# Altium PCB FINAL_PCB_VER0.PcbDoc (part 2 of 4) (continued)
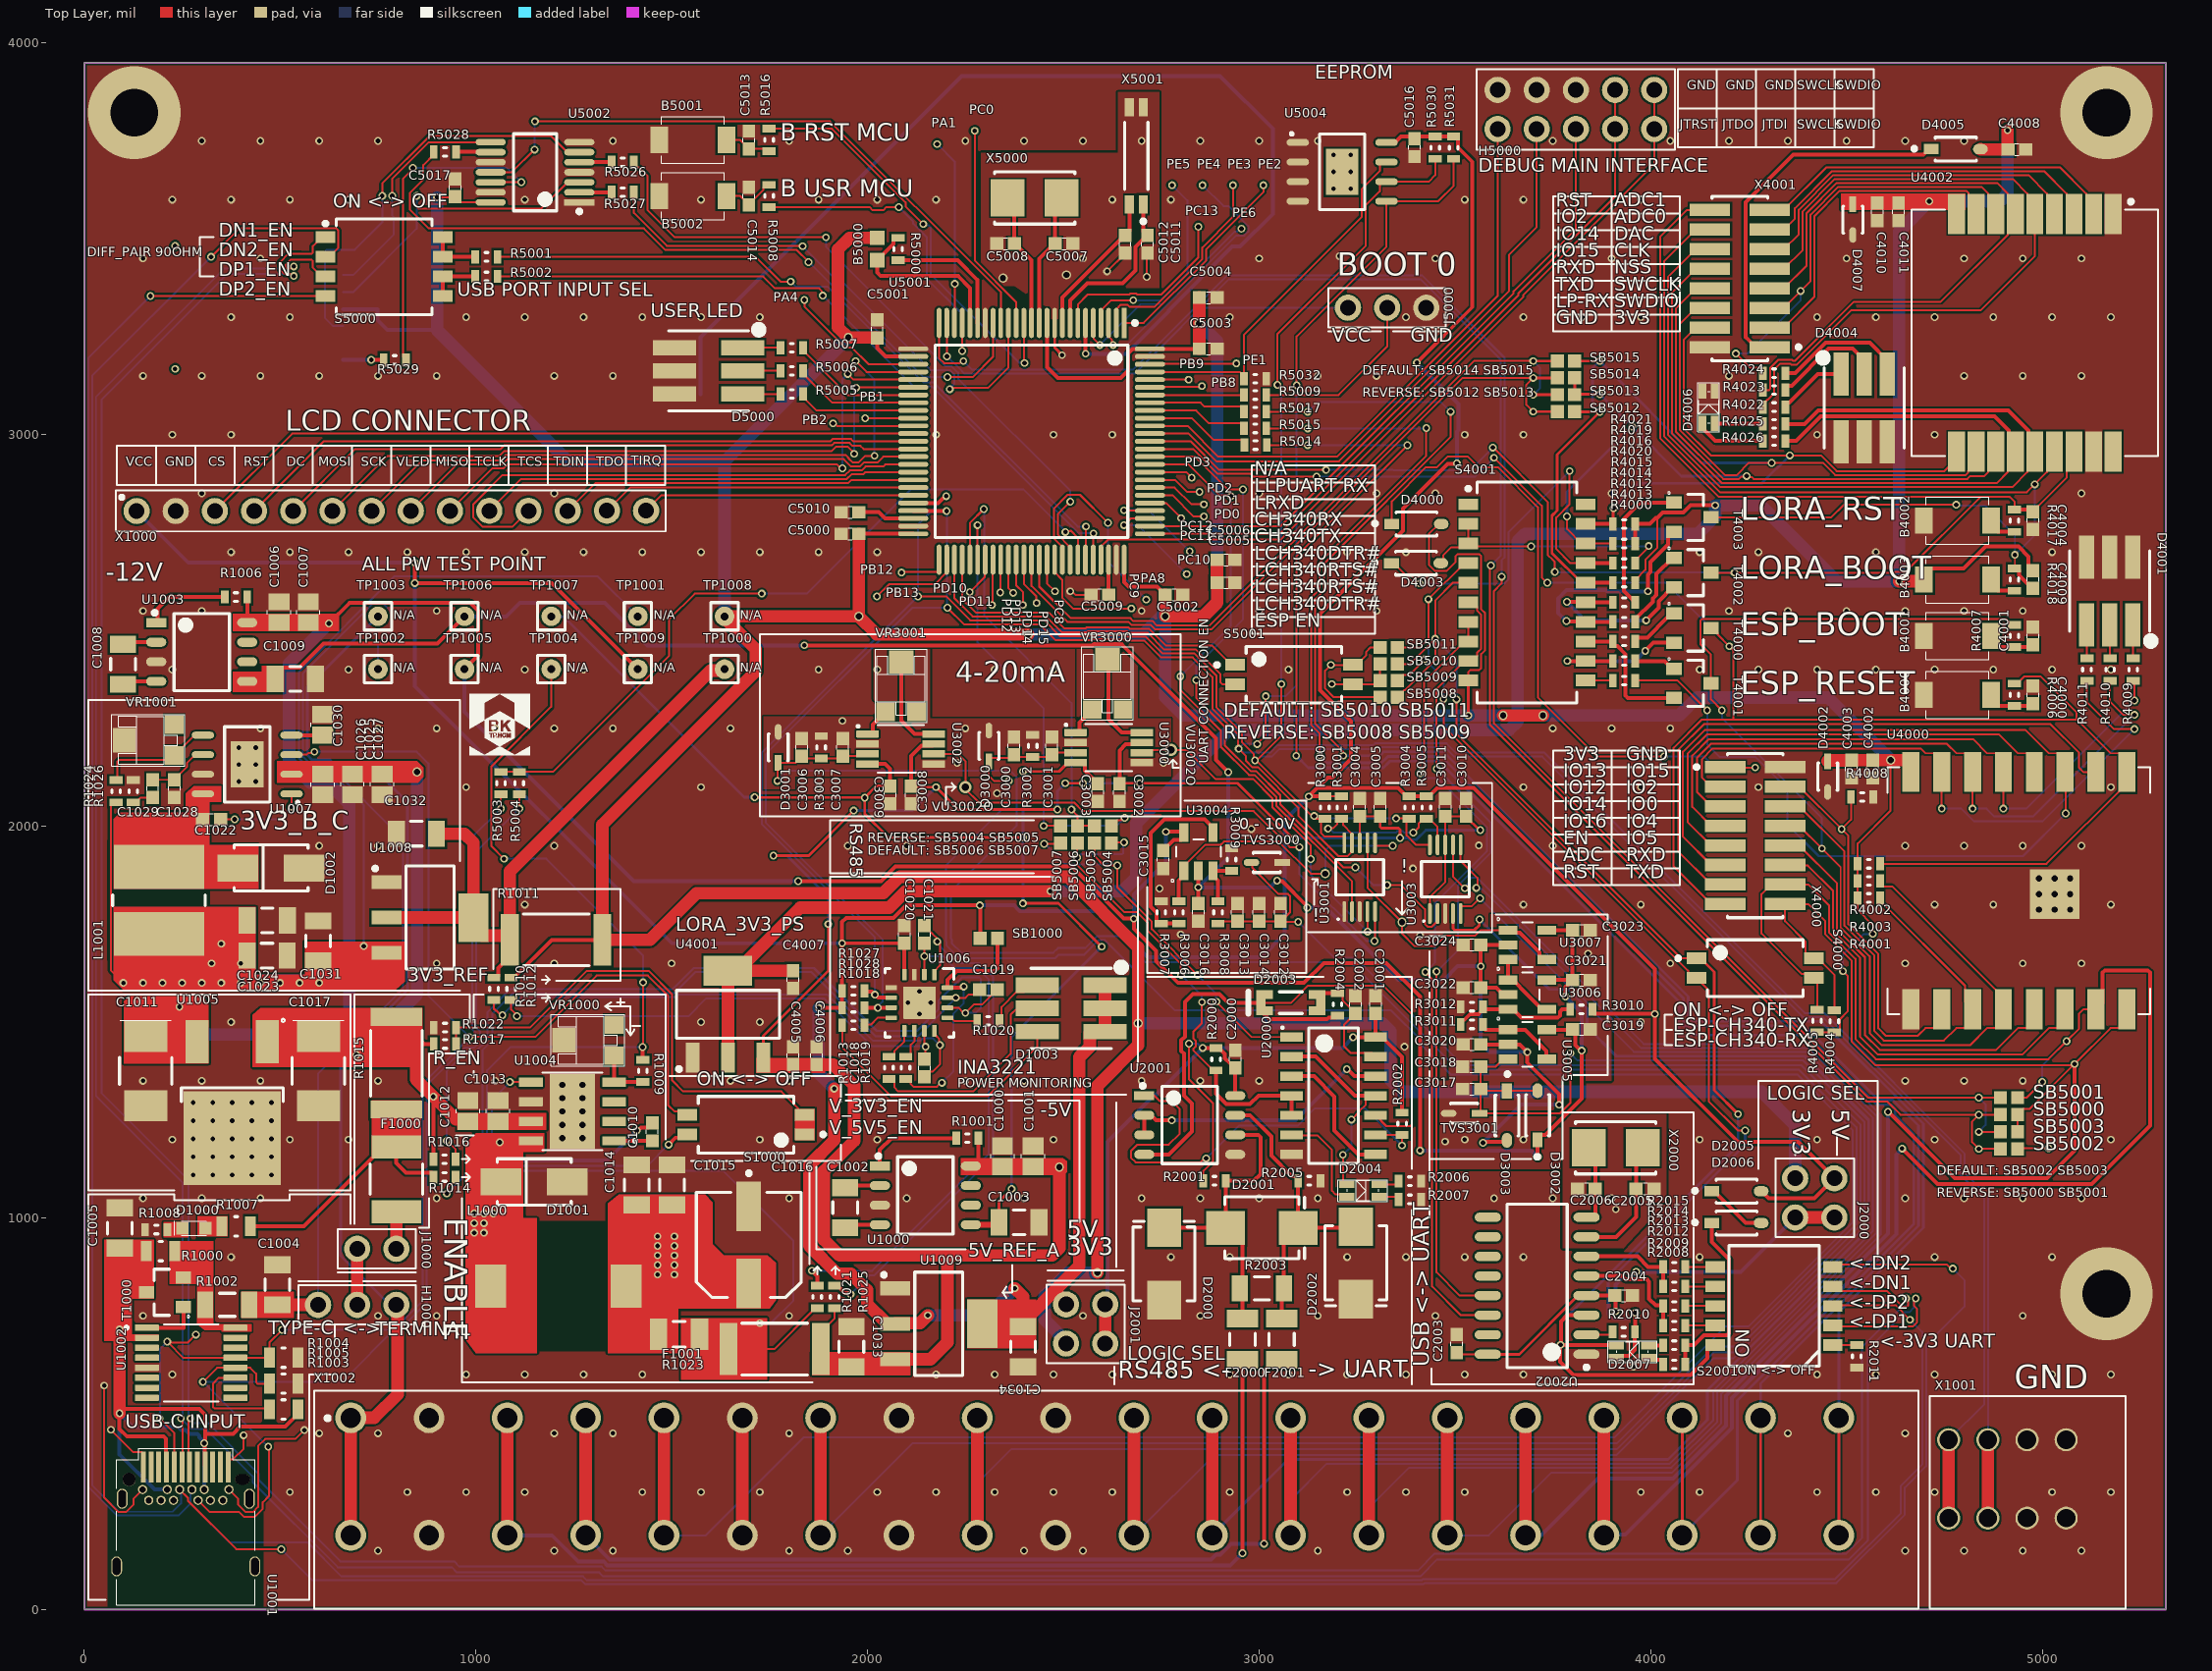
[diagram p0: Top Layer view]
## Part data (continued)
X5000: library part FF-4023, "CRYSTAL 25MHz 2PIN SMD 5 x 3.2mm, ±20ppm 12pF", Power Rate=N/A, Supplier Part Number="Thạch Anh 25MHz 5032 2 Chân SMD", Design Item ID=FF-4023, Size=5032, Supplier=THEGIOIIC, Supplier Link=https://www.thegioiic.com/thach-anh-25mhz-5032-2-chan-smd, TH/SMD=SMD, Tolerance=N/A, Type=CRYSTAL, Voltage=N/A
X5001: library part FF-4022, "32.768kHz ±20ppm, 9pF 65kOhm, 7x1.5x1.4 mm", Power Rate=N/A, Supplier Part Number="Thach Anh 32.768KHz MC-146 Crystal 7015 4 Chân", Design Item ID=FF-4022, Size=7015, Supplier=THEGIOIIC, Supplier Link=https://www.thegioiic.com/thach-anh-32-768khz-mc-146-crystal-7015-4-chan, TH/SMD=SMD, Tolerance=N/A, Type=CRYSTAL, Voltage=N/A

## Via types
v1: diameter 19.68, hole 11.81, Top Layer to Bottom Layer, tented both sides, 687 vias
v2: diameter 19.68, hole 11.81, Top Layer to Bottom Layer, 18 vias
v3: diameter 23.62, hole 15.75, Top Layer to Bottom Layer, 9 vias
v4: diameter 23.62, hole 15.75, Top Layer to Bottom Layer, tented both sides, 7 vias
v5: diameter 236.22, hole 122.05, Top Layer to Bottom Layer, 3 vias
v6: diameter 31.5, hole 19.68, Top Layer to Bottom Layer, 2 vias

## Nets (pads, with @x,y where several pads share a name; then routed paths per layer and width w, separated by ;. In a path a pad name is that pad's centre, name@x,y a point inside that pad or via, vN(x,y) a via of type N, cw(c..) or ccw(c..) an arc to the next point about the centre after c; other vN are vias at no path point)
3Y: D2004.2 U2000.6 | length 267.6
  Top Layer w5: U2000.6@3082.81,1211.85 3084.67,1210 3150,1210 3186,1174 3186,1069 3194.41,1060.59 3217.32,1060.59 D2004.2@3223.66,1054.25
AT_UART_RX: R4005.1 S4000.3 SB5001.1 SB5002.1 U4000.15 X1002.17 X4000.14 | length 5099.3
  Top Layer w5: R4005.1@4425,1531.54 4425,1604.57 S4000.3@4416.87,1612.7 4406.75,1622.82 4386.18,1622.82 4283.17,1725.83 4283.17,1826.92 4307.42,1851.17 4402.32,1851.17 4455,1798.49 4455,1729.29 4523,1661.29 4523,1457.15 4575.15,1405 5015.59,1405 v1(5061.84,1451.25) 5094.02,1483.43 5094.02,1521.7 5104.72,1532.4 U4000.15@5136.88,1532.4 ; SB5002.1@4937,1176.09 4938.91,1178 v1(5016,1178) ; SB5001.1@4937,1307 4960,1307 v1(5000,1347)
  Top Layer w10: v1(4642,1177) 4733,1086 5126,1086 5275.03,1235.03 5275.03,1626.14 5269.17,1632 5159.39,1632 5153.53,1626.14 5153.53,1549.06 U4000.15@5136.88,1532.4
  Top Layer w32: X1002.17@3880.47,189.5 X1002.17@3880.47,489.5
  Bottom Layer w5: v1(5016,1178) 5016,1331 v1(5000,1347) 5000,1389.41 v1(5061.84,1451.25)
  Bottom Layer w10: X1002.17@3880.47,189.5 3882.08,191.11 3934.84,191.11 4207.5,463.77 4207.5,539.56 4627,959.06 4627,1162 v1(4642,1177)
AT_UART_TX: R4004.1 S4000.4 SB5000.1 SB5003.1 U4000.16 X1002.16 X4000.16 | length 4531.2
  Top Layer w5: R4004.1@4469,1530.54 4469,1620.61 4426.91,1662.7 S4000.4@4416.87,1662.7 4406.83,1662.7 4395.37,1674.16 4395.37,1705.48 4343.25,1757.6 X4000.16@4343.25,1801.17 4402.32,1801.17 4445,1758.49 4445,1725.15 4513,1657.15 4513,1450.18 4572.78,1390.39 v1@5079.72,1390.39 ; SB5003.1@4937,1219.73 SB5000.1@4937,1263.36 4951.23,1277.6 4966.93,1277.6 v1@5079.72,1390.39 ; U4000.16@5215.62,1532.4 5215.62,1502.88 5197.46,1484.72 5174.05,1484.72 v1(5082.33,1393) v1@5079.72,1390.39
  Top Layer w10: v1(4605.74,1270.74) 4607.05,1270.74 4776.79,1101 5012,1101 5082.33,1171.33 v1(5082.33,1393)
  Top Layer w32: X1002.16@3680.47,189.5 X1002.16@3680.47,489.5
  Bottom Layer w10: X1002.16@3680.47,189.5 3681.08,190.11 3721.11,190.11 3865,334 4056.52,334 4192.5,469.98 4192.5,545.78 4606.39,959.67 4606.39,1270.08 v1(4605.74,1270.74)
CH340_RTS#: S4001.7 S4001.8 U2002.14 | length 2089.2
  Top Layer w5: v1(3411.53,2136) 3411.53,2139.59 3422,2150.06 3422,2369.44 3524.55,2472 S4001.8@3534.59,2472 S4001.7@3534.59,2522 ; v1(3424.41,1627.76) 3442,1610.16 3442,867 3442.06,866.94 3442.06,824.94 3515.39,751.61 U2002.14@3584.02,751.61
  Bottom Layer w5: v1(3411.53,2136) 3411.53,2134.82 3423.2,2123.15 3456.38,2123.15 3582.34,1997.18 3582.34,1937.34 3449.53,1804.53 3449.53,1652.88 v1(3424.41,1627.76)
CH340_RXD: D2007.1 S2001.10 S4000.1 S4001.5 SB5008.1 SB5010.1 U2002.3 | length 3627.6
  Top Layer w5: SB5008.1@3353,2329.66 3371.1,2347.76 3372.84,2347.76 3449.66,2424.59 v1(3449.66,2478.66) ; SB5010.1@3353,2414.33 3384.71,2414.33 3402.81,2432.43 3403.43,2432.43 v1(3449.66,2478.66) ; v1(3504,2324.07) 3504,2237 4078.3,1662.7 S4000.1@4116.87,1662.7 ; S4001.5@3534.59,2622 3495,2622 3449.66,2576.66 v1(3449.66,2478.66)
  Top Layer w7: S4000.1@4116.87,1662.7 4126.91,1662.7 4162,1627.62 4162,1326 v1(4223,1265)
  Top Layer w10: U2002.3@3835.98,751.61 3786.61,751.61 3770.85,735.85 3770.85,676.85 v1(3770,676) ; D2007.1@3912.32,674 3911.32,675 3771,675 v1(3770,676) ; S2001.10@4165,675 4154.96,675 4145,665.04 4145,641.74 4102.53,599.27 3802.73,599.27 3769,633 3769,675 v1(3770,676)
  Bottom Layer w5: v1(3449.66,2478.66) 3504,2424.32 v1(3504,2324.07)
  Bottom Layer w7: v1(3770,676) 3770,732 4223,1185 v1(4223,1265)
CH340_TXD: D2007.3 R2010.1 S4000.2 S4001.4 SB5009.1 SB5011.1 | length 2983.1
  Top Layer w5: SB5009.1@3353,2372 3367.23,2386.23 3383.23,2386.23 v1(3423,2426) ; SB5011.1@3353,2456.66 3410.66,2456.66 3432.32,2478.32 v1(3432.32,2579.76) 3524.55,2672 S4001.4@3534.59,2672 ; v1(3471,2325) 3471,2255.86 4095.23,1631.63 4095.23,1625.16 4107.69,1612.7 S4000.2@4116.87,1612.7 4148,1581.58 4148,1298 4223,1223 v1(4241.34,1223)
  Top Layer w10: D2007.3@3912.32,642.5 3917.17,647.35 3944.35,647.35 3959.7,662.7 R2010.1@3959.7,709 3959.85,709.15 3959.85,757.85 v1(3960,758)
  Bottom Layer w5: v1(3432.32,2579.76) 3432.32,2436.27 3423,2426.95 v1(3423,2426) 3471,2378 v1(3471,2325)
  Bottom Layer w7: v1(3960,758) 3944.66,742.66 3902.4,742.66 3891.66,753.4 3891.66,836.69 4241.34,1186.37 v1(4241.34,1223)
CUR_IN_A+: C3000.1 C3001.1 D3000.1 R3002.1 U3000.3 X1002.5 | length 7275.5
  Top Layer w5: v1(2361,2116) 2323,2116 2310,2129 2310,2171.22 2313.58,2174.8 2366.36,2174.8 C3000.1@2374,2182.44 2379.83,2176.61 R3002.1@2422,2176.61 2465.17,2176.61 2476.77,2188.2 U3000.3@2531.35,2188.2
  Top Layer w32: X1002.5@1480.47,189.5 X1002.5@1480.47,489.5
  Bottom Layer w5: X1002.5@1480.47,189.5 1587.5,189.5 1837,439 3907.65,439 4191.97,723.32 4250.55,723.32 4515.5,988.28 4515.5,1224.65 4374.15,1366 3490,1366 3415.77,1440.23 3415.77,1451.69 3337.46,1530 2785.08,1530 2605.36,1709.73 2590.99,1709.73 2553.04,1671.77 2488.21,1671.77 2479.97,1663.54 2234.03,1663.54 2201.54,1696.03 2201.54,1705.61 2200.04,1707.11 2200.04,1899.67 2361,2060.64 v1(2361,2116)
CUR_IN_B+: C3006.1 C3007.1 D3001.1 R3003.1 U3002.3 X1002.7 | length 7475.1
  Top Layer w5: v1(1770,2116) 1771,2117 1771,2161.31 D3001.1@1772,2162.31 1816.34,2162.31 1832,2177.97 C3006.1@1832,2178.88 1837.83,2173.05 R3003.1@1882,2173.05 1931.17,2173.05 C3007.1@1937,2178.88 1975.1,2178.88 1980.87,2184.64 U3002.3@2000.35,2184.64
  Top Layer w32: X1002.7@1880.47,189.5 X1002.7@1880.47,489.5
  Bottom Layer w5: v1(1770,2116) 1770,2117 1795,2142 2363.72,2142 2381.31,2124.41 2381.31,2002.44 2213.54,1834.67 2213.54,1712.7 2215.04,1711.2 2215.04,1701.62 2239.62,1677.04 2474.38,1677.04 2486.38,1689.04 2556.16,1689.04 2586.85,1719.73 2643.18,1719.73 2710.41,1652.5 3234.05,1652.5 3508.55,1378 4379.12,1378 4525.5,1231.62 4525.5,984.13 4212.69,671.32 4161.04,671.32 3913.71,424 2114.97,424 X1002.7@1880.47,189.5
D1_N: S2001.4 S5000.1 U1001.A7 | length 8984.7
  Top Layer w5: 266.81,479.18 266.81,366.23 U1001.A7@269.16,363.89 ; 526.18,3409.84 511.44,3409.84 499.73,3421.56 499.73,3440.15 521.6,3462.03 554.11,3462.03 554.64,3461.5 580.57,3461.5 583.5,3464.43 583.5,3481.54 605.96,3504 S5000.1@616,3504 ; S2001.4@4465,825 4477.46,812.54 4603.6,812.54 4643.02,773.12 4653.91,773.12 4656.84,776.05 4656.84,785.53 4652,790.37 v1(4652,794.34)
  Bottom Layer w5: 266.81,496.82 266.81,1096.05 45,1317.86 45,3090 364.84,3409.84 526.18,3409.84 ; v1(271.66,488) 271.66,485.08 280.39,476.35 315.47,476.35 445.2,346.62 445.2,331.74 653.94,123 944.61,123 958.11,109.5 1321.58,109.5 1331.47,99.61 3405.61,99.61 3448.63,142.63 4499.89,142.63 4540,182.74 4540,671.25 4642.82,774.07 4653.91,774.07 4656.84,777 4656.84,785.53
  other v1: 535,3405
D1_P: S2001.2 S5000.3 U1001.A6 | length 9065.2
  Top Layer w5: U1001.A6@249.47,363.89 251.81,366.23 251.81,479.18 ; 526.18,3424.84 517.66,3424.84 514.73,3427.77 514.73,3433.94 527.82,3447.03 547.89,3447.03 548.42,3446.5 580.57,3446.5 583.5,3443.57 583.5,3426.46 605.96,3404 S5000.3@616,3404 ; S2001.2@4465,725 4467.34,722.66 4669.18,722.66 4679.34,732.82 4679.34,768.4 4671.84,775.9 4671.84,785.53 4676.69,790.37 v1(4676.69,794.34)
  Bottom Layer w5: v1(246.97,488) 247.13,488 273.78,461.35 309.26,461.35 430.2,340.41 430.2,325.52 647.72,108 938.39,108 951.89,94.5 1315.37,94.5 1325.26,84.61 3411.82,84.61 3454.84,127.63 4506.1,127.63 4555,176.53 4555,665.04 4649.04,759.07 4660.13,759.07 4671.84,770.79 4671.84,785.53 ; 251.81,496.82 251.81,1089.84 30,1311.65 30,3096.21 358.63,3424.84 526.18,3424.84
  other v1: 535,3429.68
D_JTDI: H5000.5 U5001.77 | length 1660.2
  Top Layer w5: U5001.77@2721.18,2766.46 3055.4,2766.46 3650,3361.06 3650,3366 3809,3525 H5000.5@3809,3780.31
D_JTDO: H5000.7 U5001.89 | length 1569.6
  Top Layer w5: U5001.89@2721.18,3002.69 2820,3002.69 2890.68,2932 3203.97,2932 3638,3366.03 3638,3458.68 3709,3529.68 H5000.7@3709,3780.31
D_JTRST: H5000.9 U5001.90 | length 1516.4
  Top Layer w5: U5001.90@2721.18,3022.37 2817.28,3022.37 2895.66,2944 3199,2944 3609,3354 H5000.9@3609,3780.31
DEBUG-JTMS-SWCLK: H5000.3 H5000.4 U5001.76 | length 1819.7
  Top Layer w5: U5001.76@2721.18,2746.78 3052.69,2746.78 3662,3356.09 3662,3361.03 3909,3608.03 H5000.4@3909,3880.31
DEBUG-JTMS-SWDIO: H5000.1 H5000.2 U5001.72 | length 2043
  Top Layer w5: U5001.72@2596.17,2680.82 2596.17,2714.19 2614.11,2732.13 3055.01,2732.13 3674,3351.12 3674,3356 4009,3691 H5000.1@4009,3780.31 H5000.2@4009,3880.31
DIGI_INPUT_1: R5014.2 X1002.18 | length 4891.8
  Top Layer w5: R5014.2@3019.54,2973.24 v1(3124,2973.24) ; v1(3095,2180) 3095,2689 3238.09,2832.09 v1(3379,2973)
  Top Layer w7: X1002.18@4080.47,189.5 X1002.18@4080.47,489.5
  Bottom Layer w5: v1@3124,2973 3124.12,2973.12 3378.88,2973.12 v1(3379,2973)
  Bottom Layer w7: v1(3095,2180) 3125.34,2149.66 3317.57,2149.66 3334.25,2166.34 3458.6,2166.34 3459.63,2165.31 3461.57,2165.31 3472.31,2154.57 3472.31,2152.63 4072,1552.94 4072,1467 4399.01,1467 4576.93,1289.08 4613.33,1289.08 4624.08,1278.33 4624.08,1261.36 4672,1213.44 4672,984.97 4221,533.97 4221,330.03 X1002.18@4080.47,189.5
DIGI_INPUT_2: R5015.2 X1002.19 | length 4864.3
  Top Layer w5: R5015.2@3018.54,3015.87 3019.41,3015 v1@3124,3015 ; v1(3155,2180) 3154.66,2180.34 3154.66,2236.58 3133.4,2257.84 3133.4,2584.32 3154.66,2605.58 3154.66,2673.8 3427,2946.14 v1(3427,3017)
  Top Layer w7: X1002.19@4280.47,189.5 X1002.19@4280.47,489.5
  Bottom Layer w5: v1(3124,3015.87) 3425.87,3015.87 v1(3427,3017)
  Bottom Layer w7: v1(3155,2180) 3173.34,2161.66 3312.6,2161.66 3329.28,2178.34 3465.51,2178.34 4084,1559.85 4084,1491 4085,1490 4392.98,1490 4581.9,1301.08 4618.31,1301.08 4684,1235.38 4684,980 4280.47,576.47 X1002.19@4280.47,489.5 X1002.19@4280.47,189.5
DIGI_INPUT_3: R5017.2 X1002.20 | length 4890.4
  Top Layer w5: R5017.2@3018.54,3058.49 v1(3124,3058.49) ; v1(3215,2180) 3215,2190.38 3143.4,2261.99 3143.4,2580.18 3165.66,2602.44 3165.66,2670.66 3489,2994 v1(3489,3058.49)
  Top Layer w7: X1002.20@4480.47,189.5 X1002.20@4480.47,489.5
  Bottom Layer w5: v1@3124,3058 3149,3083 3464.49,3083 v1(3489,3058.49)
  Bottom Layer w7: v1(3215,2180) 3308.43,2180 3318.78,2190.34 3470.48,2190.34 4096,1564.82 4096,1515 4109,1502 4434.36,1502 4696,1240.36 4696,975.03 4480.47,759.5 X1002.20@4480.47,489.5 X1002.20@4480.47,189.5
DN2: S2001.5 S5000.2 U1001.B7 | length 9607.5
  Top Layer w5: U1001.B7@243.57,306.41 264.97,285.01 264.97,277.38 388.35,154 v1(503,154) ; v1(324,3454) 396.46,3526.46 644.11,3526.46 648.5,3522.07 648.5,3476.46 626.04,3454 S5000.2@616,3454 ; S2001.5@4465,875 4471,881 4755.96,881 4766.57,870.39 v1(4771.61,870.39)
  Bottom Layer w5: U1001.B7@243.57,306.41 247.13,302.85 247.13,270.85 225.97,249.7 88.1,249.7 20,317.8 20,3150 v1(324,3454) ; v1(503,154) 582.5,74.5 1269.61,74.5 1279.61,64.5 3420,64.5 3422.89,67.39 4474.15,67.39 4649,242.25 4649,311.62 4703.5,366.12 4703.5,676.13 4801,773.63 4801,841 v1(4771.61,870.39)
DP2: S2001.3 S5000.4 U1001.B6 | length 9157.7
  Top Layer w5: v1(169,3354) S5000.4@616,3354 ; S2001.3@4465,775 4467,777 4625,777 v1(4662,740)
  Bottom Layer w5: v1(169,3354) 10,3195 10,313.65 83.96,239.7 240.34,239.7 271.5,270.85 ; U1001.B6@275.06,306.41 271.5,302.85 271.5,270.85 ; v1(4662,740) 4693.5,708.5 4693.5,370.26 4639,315.76 4639,246.39 4470,77.39 3418.75,77.39 3415.86,74.5 1283.75,74.5 1273.75,84.5 657.08,84.5 570.24,171.34 371.01,171.34 271.5,270.85
ESP_ADC: U4000.2 X4000.13 | length 1581.4
  Top Layer w5: X4000.13@4190.49,1851.17 4154.67,1851.17 4070.42,1935.41 4070.42,2195.29 4135.92,2260.79 5020.91,2260.79 5094.02,2187.68 5094.02,2149.41 5104.72,2138.7 U4000.2@5136.88,2138.7
ESP_EN: R4000.1 U4000.3 X4000.11 | length 2957.3
  Top Layer w5: R4000.1@3960.54,2372 4068.29,2372 v1(4144.19,2296.1) ; X4000.11@4190.49,1901.17 4154.67,1901.17 4082.42,1973.41 4082.42,2190.32 4138.48,2246.38 4956.57,2246.38 5016.57,2186.38 5039.98,2186.38 5058.14,2168.23 U4000.3@5058.14,2138.7 5060,2136.84 v1(5060,2033)
  Bottom Layer w5: v1(4144.19,2296.1) 4144.19,2208.74 4176.55,2176.38 4267.93,2176.38 4348.57,2095.74 4348.57,2004.36 4429.22,1923.72 4950.72,1923.72 v1(5060,2033)
ESP_EN_PULLUP: R4000.2 S4001.11 | length 70
  Top Layer w5: S4001.11@3833.41,2372 R4000.2@3903.46,2372
ESP_GPIO0: R4003.1 R4007.1 T4001.3 U4000.12 X4000.8 | length 3042.5
  Top Layer w5: v1(4181.76,2296.1) 4154,2323.86 T4001.3@4154,2365 4154,2438.13 4126.81,2465.31 4126.81,2525.19 4131.21,2529.58 4907.04,2529.58 4922.11,2514.51 R4007.1@4929,2514.51 ; X4000.8@4343.25,2001.17 4379.07,2001.17 v1(4437.21,1943.03) 4485,1895.24 4485,1741.72 4559,1667.72 4559,1472.06 4590.06,1441 4815.37,1441 4859.09,1484.72 4882.5,1484.72 4900.66,1502.88 U4000.12@4900.66,1532.4 4900.66,1561.93 4616.32,1846.27 4592.89,1846.27 4585.54,1853.61 R4003.1@4585.54,1860.5
  Bottom Layer w5: v1(4181.76,2296.1) 4181.76,2276.7 4437.21,2021.24 v1(4437.21,1943.03)
ESP_GPIO2: R4001.1 U4000.11 X4000.6 | length 1383
  Top Layer w5: X4000.6@4343.25,2051.17 4379.07,2051.17 4495,1935.24 4495,1745.86 4571,1669.86 4571,1477.03 4595.03,1453 4748.63,1453 4780.35,1484.72 4803.76,1484.72 4821.92,1502.88 U4000.11@4821.92,1532.4 4802.76,1551.56 4802.76,1592.89 4585.54,1810.11 R4001.1@4585.54,1817
ESP_GPIO4: U4000.13 X4000.10 | length 1097.8
  Top Layer w5: X4000.10@4343.25,1951.17 4379.07,1951.17 4475,1855.24 4475,1737.57 4547,1665.57 4547,1467.09 4585.09,1429 4882.11,1429 4937.83,1484.72 4961.24,1484.72 4979.4,1502.88 U4000.13@4979.4,1532.4
ESP_GPIO5: U4000.14 X4000.12 | length 1158.5
  Top Layer w5: X4000.12@4343.25,1901.17 4344.64,1899.78 4401.22,1899.78 4465,1836 4465,1733.43 4535,1663.43 4535,1462.12 4580.12,1417 4948.85,1417 5016.57,1484.72 5039.98,1484.72 5058.14,1502.88 U4000.14@5058.14,1532.4
ESP_GPIO12: R4010.2 U4000.6 X4000.5 | length 1692
  Top Layer w5: X4000.5@4190.49,2051.17 4154.67,2051.17 4118.42,2087.41 4118.42,2175.41 4153.39,2210.38 4756.35,2210.38 4780.35,2186.38 4803.76,2186.38 4821.92,2168.23 U4000.6@4821.92,2138.7 v1(4821.92,2045) ; R4010.2@5173,2371.44 5173,2318 5206.5,2284.5 v1(5235,2284.5)
  Bottom Layer w5: v1(4821.92,2045) 4857.59,2045 4877.9,2024.69 4975.69,2024.69 v1@5235,2284
ESP_GPIO13: R4011.2 U4000.7 X4000.3 | length 1681.9
  Top Layer w5: X4000.3@4190.49,2101.17 4154.67,2101.17 4130.42,2125.41 4130.42,2170.44 4158.37,2198.38 4689.61,2198.38 4701.61,2186.38 4725.02,2186.38 4743.18,2168.23 U4000.7@4743.18,2138.7 v1(4743.18,2045) ; R4011.2@5113.94,2371.44 5113.94,2317.06 5183,2248 v1(5235,2248)
  Bottom Layer w5: v1(4743.18,2045) 4793.19,2045 4825.5,2012.69 4999.69,2012.69 v1(5235,2248)
ESP_GPIO14: R4009.2 U4000.5 X4000.7 | length 1692.6
  Top Layer w5: X4000.7@4190.49,2001.17 4154.67,2001.17 4106.42,2049.41 4106.42,2180.38 4148.42,2222.38 4823.09,2222.38 4859.09,2186.38 4882.5,2186.38 4900.66,2168.23 U4000.5@4900.66,2138.7 v1(4900.66,2045) ; R4009.2@5232.06,2371.44 5235,2368.5 v1(5235,2321)
  Bottom Layer w5: v1(4900.66,2045) 4959,2045 v1(5235,2321)
ESP_GPIO15: R4008.2 U4000.10 X4000.4 | length 1044
  Top Layer w5: X4000.4@4343.25,2101.17 4379.07,2101.17 v1(4487.33,1992.91) ; R4008.2@4511.46,2075 4511.46,2017.03 v1(4487.33,1992.91) ; U4000.10@4743.18,1532.4 4743.18,1502.88 4725.02,1484.72 4701.61,1484.72 4681.89,1465 4600,1465 4581,1484 4581,1674 4505,1750 4505,1975.24 v1(4487.33,1992.91)
ESP_GPIO16: U4000.4 X4000.9 | length 1257.2
  Top Layer w5: X4000.9@4190.49,1951.17 4154.67,1951.17 4094.42,2011.41 4094.42,2185.35 4143.45,2234.38 4889.83,2234.38 4937.83,2186.38 4961.24,2186.38 4979.4,2168.23 U4000.4@4979.4,2138.7
GND: B4000.1 B4001.2 B4002.2 B5001.2 B5002.2 C1000.2 C1001.2 C1003.2 C1004.2 C1005.2 C1006.2 C1007.2 C1009.2 C1011.1 C1012.2 C1013.2 C1014.2 C1015.2 C1016.1 C1017.1 C1020.2 C1023.2 C1024.2 C1025.2 C1026.2 C1027.2 C1028.2 C1030.2 C1031.2 C1032.2 C1033.2 C1034.2 C2000.2 C2001.2 C2002.2 C2003.1 C2004.2 C2005.2 C2006.2 C3000.2 C3001.2 C3002.2 C3003.2 C3004.2 C3005.2 C3006.2 C3007.2 C3008.2 C3009.2 C3010.2 C3011.2 C3012.1 C3013.1 C3014.2 C3015.2 C3016.2 C3017.2 C3018.2 C3019.2 C3020.2 C3021.2 C3022.2 C3023.2 C3024.2 C4000.1 C4001.2 C4002.2 C4003.2 C4004.2 C4005.2 C4006.2 C4007.2 C4008.2 C4010.2 C4011.2 C5000.2 C5001.2 C5002.2 C5003.2 C5004.2 C5005.2 C5006.2 C5007.2 C5008.2 C5009.2 C5010.2 C5011.2 C5012.2 C5013.2 C5014.2 C5015.2 C5016.2 C5017.2 D1001.1 D1002.1 D2000.1 D2002.2 D3000.2 D3001.2 D4001.2 D4001.4 D4001.6 D4002.2 D4004.2 D4004.4 D4004.6 D4006.1 D4006.3 D4007.2 D5000.2 D5000.4 D5000.6 H5000.6 H5000.8 H5000.10 J5000.1 R1004.1 R1005.1 R1008.2 R1022.1 R1026.1 R2005.1 R2006.1 R2007.1 R2011.1 R3002.2 R3003.2 R3007.1 R3009.1 R3012.1 R4008.1 R5032.2 TVS3000.1 TVS3001.2 U1000.3 U1001.A1 U1001.A12 U1001.B1 U1001.B12 U1002.5 U1003.3 U1004.6 U1004.9 U1005.4 U1006.3 U1006.5 U1006.17@2132.58,1549.42 U1007.7 U1007.9 U1008.1 U1009.1 U2000.7 U2001.5 U2002.1 U3000.2 U3000.5 U3001.1 U3001.3 U3002.2 U3002.5 U3003.3 U4000.9 U4001.1 U4002.1 U4002.17 U5000.1 U5001.10 U5001.19 U5001.26 U5001.49 U5001.74 U5001.99 U5002.1 U5002.4 U5002.7 U5002.10 U5002.13 U5003.6 U5003.G U5004.1 U5004.2 U5004.3 U5004.4 VR1000.2 VR1001.2 X1000.2 X1001.3 X1001.4 X1002.2 X1002.6 X1002.8 X1002.10 X4000.2 X4001.2 X5001.2 X5001.3 | length 1650.6
  Top Layer w5: v1(51,572) 51,285.38 87.68,248.7 106.14,248.7 126.02,268.58 126.02,283.35 U1001.B12@149.08,306.41 ; v1(68,459) 125.27,401.73 148.25,401.73 151.05,398.93 U1001.A1@151.05,365.86 ; U1001.A12@367.58,365.86 367.58,380.48 370.38,383.28 380.28,383.28 407,410 v1(407,445) ; U1001.B1@369.55,306.41 392.61,283.35 392.61,268.58 412.49,248.7 430.94,248.7 444,261.75 444,417.33 462.01,435.35 539.35,435.35 v1(562,458) ; v1(2518,2600) 2521.97,2600 2530.97,2591 C5009.2@2570.42,2591 ; v1(2612,3417) 2612.62,3417 2658,3462.38 C5012.2@2658,3463.28 ; v1(2713,3403) 2713,3461.28 C5011.2@2715,3463.28
  Top Layer w7: U5001.10@2478.06,3285.18 2478.06,3221.94 v1(2497,3203)
  Top Layer w32: X1002.6@1680.47,189.5 X1002.6@1680.47,489.5
  other v1: 750,150 1200,150 1350,150 1800,150 1950,150 2400,150 2550,150 3150,150 4650,150 4800,150 4950,150 5100,150 525,300 825,300 975,300 1125,300 1425,300 1575,300 1725,300 2025,300 2175,300 2325,300 2475,300 2625,300 2925,300 3225,300 3375,300 3525,300 3975,300 4125,300 4425,300 4575,300 4725,300 5025,300 5175,300 600,450 750,450 1200,450 1350,450 1800,450 4350,450 4650,450 225,600 975,600 1125,600 1275,600 1425,600 2175,600 2325,600 2475,600 2625,600 2775,600 2925,600 3075,600 3225,600 3375,600 3525,600 3675,600 4425,600 4575,600 4725,600 5025,600 5175,600 3956,620 150,750 750,750 900,750 1800,750 2550,750 2850,750 3150,750 3450,750 4950,750 375,900 2775,900 2925,900 3225,900 3375,900 3525,900 3675,900 4125,900 4725,900 5025,900 3911,1022 150,1050 300,1050 450,1050 900,1050 1800,1050 2100,1050 2400,1050 2700,1050 2850,1050 3000,1050 3150,1050 3600,1050 3750,1050 3900,1050 4650,1050 4800,1050 4950,1050 5100,1050 278,1109.39 328,1109.39 378,1109.39 428,1109.39 478,1109.39 278,1155.64 328,1155.64 378,1155.64 428,1155.64 478,1155.64 3475,1195 225,1200 525,1200 675,1200 1725,1200 2025,1200 2475,1200 3525,1200 3675,1200 4125,1200 4425,1200 4725,1200 5175,1200 278,1201.89 328,1201.89 378,1201.89 428,1201.89 478,1201.89 278,1248.14 328,1248.14 378,1248.14 428,1248.14 478,1248.14 278,1294.39 328,1294.39 378,1294.39 428,1294.39 478,1294.39 150,1350 300,1350 450,1350 750,1350 1050,1350 1650,1350 1800,1350 2250,1350 2400,1350 2700,1350 2850,1350 3000,1350 4650,1350 4800,1350 4950,1350 3371,1437 375,1500 1575,1500 1725,1500 3975,1500 900,1650 1200,1650 1500,1650 4050,1650 4650,1650 4950,1650 5100,1650 3840,1675 3411,1721 2800,1724 1125,1800 3675,1800 3975,1800 4725,1800 4875,1800 5175,1800 2746,1841 3393,1892 600,1950 750,1950 1200,1950 1950,1950 2100,1950 3750,1950 4650,1950 4800,1950 4950,1950 5100,1950 3561,1951 2980,1993 2331,2084 975,2100 1575,2100 1875,2100 3675,2100 3975,2100 4275,2100 5175,2100 2229,2162 2756,2162 450,2250 750,2250 900,2250 1050,2250 1200,2250 1350,2250 1650,2250 2250,2250 3750,2250 3900,2250 4050,2250 1936,2269 225,2400 675,2400 1125,2400 1275,2400 1875,2400 2025,2400 2325,2400 2475,2400 3075,2400 4125,2400 4275,2400 4425,2400 4575,2400 4725,2400 4875,2400 5025,2400 5175,2400 150,2550 300,2550 900,2550 2700,2550 3000,2550 3300,2550 4200,2550 4350,2550 4500,2550 4650,2550 4800,2550 4950,2550 375,2700 525,2700 675,2700 825,2700 975,2700 1125,2700 1275,2700 1425,2700 1575,2700 1725,2700 1875,2700 2025,2700 3225,2700 3375,2700 4125,2700 4275,2700 4575,2700 5025,2700 300,2850 1200,2850 3000,2850 3300,2850 3450,2850 3900,2850 5100,2850 225,3000 375,3000 2175,3000 2475,3000 2625,3000 3525,3000 3675,3000 4425,3000 4725,3000 150,3150 300,3150 450,3150 600,3150 750,3150 900,3150 1200,3150 1350,3150 3150,3150 3300,3150 4200,3150 4800,3150 4950,3150 5100,3150 375,3300 525,3300 975,3300 1125,3300 1275,3300 1425,3300 1575,3300 1725,3300 2925,3300 3375,3300 3675,3300 3825,3300 3975,3300 4425,3300 4575,3300 4725,3300 4875,3300 5025,3300 5175,3300 150,3450 450,3450 2550,3450 3000,3450 3450,3450 3900,3450 4500,3450 4800,3450 4950,3450 5100,3450 3205,3456 225,3600 375,3600 525,3600 675,3600 1125,3600 1575,3600 1875,3600 2025,3600 2175,3600 2625,3600 2775,3600 3525,3600 3675,3600 3975,3600 300,3750 450,3750 600,3750 750,3750 1350,3750 1800,3750 2250,3750 2400,3750 2550,3750 2700,3750 2850,3750 3000,3750 3150,3750 3750,3750 4050,3750 4200,3750 4350,3750 4500,3750 4650,3750 4800,3750
  other v2: 2132.58,1520.42 2103.58,1549.42 2161.58,1549.42 2132.58,1578.42 394.47,2114.43 437.78,2114.43 394.47,2157.74 437.78,2157.74 394.47,2201.05 437.78,2201.05
  other v4: 2346,3400 2508,3408
  other v5: 5164,806 128,3822 5164,3822
I2C2_SCL: R1027.2 R3000.1 R3004.1 R5030.2 U1006.6 U3001.10 U3003.10 U5001.46 U5004.6 X1001.1 | length 8633.3
  Top Layer w5: v1(2129,2587) 2201,2587 2262.34,2525.66 2451.63,2525.66 2492.29,2485 2565.05,2485 2568.04,2487.99 2657.96,2487.99 2661.29,2484.66 2710.48,2484.66 2753.89,2441.25 2834.82,2441.25 2891,2385.07 2891,2304.14 2955.79,2239.35 2955.79,2214.67 2986.91,2183.55 2986.91,2171.15 v1(2989.72,2168.34) ; v1@2988.44,2168.34 2988.44,2165.11 2989.72,2163.84 3057,2231.12 v1(3057,2363) ; v1@2991.23,2165.36 2996.32,2165.36 3132.74,2028.93 3133.98,2028.93 3138.18,2024.74 3138.18,2019.46 R3000.1@3166,2019.46 ; v1(3047,3127) 3047,3257.47 3272.52,3482.99 3272.52,3586.06 3308.09,3621.63 3308.09,3640.13 3313.97,3646 U5004.6@3325.28,3646 3433,3646 3450,3663 R5030.2@3450,3704.23 ; v1@3138.18,2023.54 v1(3140.77,2026.12) ; R3000.1@3168,2019.46 R3000.1@3166,2019.46 ; U3001.10@3217.63,1957.6 3217.63,1971.28 3215.39,1973.52 3167.49,1973.52 3158.66,1982.34 3158.66,2012.11 R3000.1@3166,2019.46 ; v1(3350,2020) 3382.84,2020 R3004.1@3383.38,2019.46 3376.66,2012.74 3376.66,1976.82 3400.88,1952.6 3417.4,1952.6 U3003.10@3436.01,1952.6
  Top Layer w10: R1027.2@1992.37,1579.63 1994.21,1577.79 2011.36,1577.79 v1(2019.14,1570) 2026.93,1562.22 U1006.6@2060.73,1562.22 ; U5001.46@2116.82,2825.52 2180.56,2825.52 2198.04,2843 v1(2201,2843)
  Top Layer w32: X1001.1@4760.92,233.5 X1001.1@4760.92,433.5
  Bottom Layer w5: v1(2019.14,1570) 2019.14,1716.41 1730,2005.56 1730,2188 v1(2129,2587) 2129,2771 v1(2201,2843) ; v1(2989.72,2168.34) 2993.69,2168.34 3003.35,2178 3032.47,2178 3051.82,2197.34 3295.79,2197.34 3300.44,2202 3474.38,2202 3498.38,2178 3723,2178 4388,1513 4438.91,1513 4792,1159.91 4792,1109 4852,1049 4852,524.58 X1001.1@4760.92,433.5 ; v1(3047,3127) 3047,3123.03 3057,3113.03 v1(3057,2363) ; v1(3140.77,2026.12) 3143.58,2023.31 3157.02,2023.31 3160.61,2019.73 3349.73,2019.73 v1(3350,2020)
I2C2_SDA: R1028.2 R3001.1 R3005.1 R5031.2 U1006.7 U3001.9 U3003.9 U5001.47 U5004.5 X1001.2 | length 8813.6
  Top Layer w5: v1(2204,2558) 2247,2515 2440.13,2515 2480.13,2475 2569.2,2475 2572.18,2477.99 2653.82,2477.99 2657.15,2474.66 2706.34,2474.66 2749.75,2431.25 2830.68,2431.25 2881,2380.93 2881,2300 2945.79,2235.21 2945.79,2200.14 v1(2947.95,2197.99) 2966.65,2179.29 2966.65,2166.89 2982.53,2151 2996.54,2151 3099.94,2047.6 3099.94,2026.92 3203.33,1923.52 3224.89,1923.52 3237.31,1935.95 U3001.9@3237.31,1957.6 3236.77,1958.14 3236.77,1981.23 3214.79,2003.21 3214.79,2014.67 R3001.1@3210,2019.46 3206.47,2019.46 3199.12,2012.11 3199.12,2005.04 3192.23,1998.15 3189.3,1995.22 3177.22,1995.22 v1(3176,1994) ; v1(2995,2210) 3017,2232 v1(3017,2332) ; v1(3096,3126) 3096,3250.93 3325.28,3480.21 U5004.5@3325.28,3596 3457,3596 3496.7,3635.7 R5031.2@3496.7,3704.23 ; v1(3394,1984) 3407.61,1997.61 3407.61,2006.58 3420.49,2019.46 R3005.1@3427.38,2019.46 3434.27,2019.46 3455.69,1998.03 U3003.9@3455.69,1952.6
  Top Layer w10: R1028.2@1992.37,1536.63 v1(2026.55,1536.63) U1006.7@2060.73,1536.63 ; U5001.47@2116.82,2805.83 2117.23,2805.42 2201.58,2805.42 v1(2202,2805)
  Top Layer w32: X1001.2@4860.92,233.5 X1001.2@4860.92,433.5
  Bottom Layer w5: v1(2026.55,1536.63) 2026.55,1540.13 2038.45,1552.03 2038.45,1711.24 1740,2009.7 1740,2183.86 2114.14,2558 v1(2204,2558) ; v1(2202,2805) 2203,2804 v1@2203,2558 ; v1@2946.94,2196.94 2961.18,2211.18 2993.82,2211.18 v1(2995,2210) ; v1(2947.95,2197.99) 2951.92,2197.99 2961.91,2188 3028.33,2188 3047.67,2207.34 3291.64,2207.34 3296.3,2212 3478.52,2212 3502.52,2188 3728.46,2188 4393.46,1523 4443.05,1523 4802,1164.05 4802,1114.46 4862,1054.46 4862,434.58 X1001.2@4860.92,433.5 ; v1(3017,2332) 3067,2332 3096,2361 3096,2964.47 3094.66,2965.82 3094.66,2980.18 3096,2981.53 v1(3096,3126) ; v1(3176,1994) 3179.97,1994 3189.97,1984 3349.47,1984 3352.82,1987.34 3367.18,1987.34 3370.53,1984 v1(3394,1984)
LED1: D5000.5 R5005.2 | length 97.3
  Top Layer w5: D5000.5@1681.03,3103.85 R5005.2@1778.31,3103.85
LED2: D5000.3 R5006.1 | length 97.3
  Top Layer w5: D5000.3@1681.03,3162.91 R5006.1@1778.31,3162.91
LED3: D5000.1 R5007.1 | length 97.3
  Top Layer w5: D5000.1@1681.03,3221.96 R5007.1@1778.31,3221.96
LORA_ADC0: U4002.3 X4001.13 | length 919.1
  Top Layer w5: X4001.13@4304,3523.58 4339.83,3523.58 4367.98,3551.74 4367.98,3578.3 4462.18,3672.5 5005.09,3672.5 5061.85,3615.74 5061.85,3582.3 U4002.3@5081,3563.15
LORA_ADC1: U4002.2 X4001.15 | length 941.1
  Top Layer w5: X4001.15@4304,3573.58 4339.83,3573.58 4448.74,3682.5 5045.09,3682.5 5111.85,3615.74 5111.85,3582.3 U4002.2@5131,3563.15
LORA_DAC: U4002.4 X4001.11 | length 902.6
  Top Layer w5: X4001.11@4304,3473.58 4339.83,3473.58 4377.98,3511.74 4377.98,3574.16 4466.33,3662.5 4965.09,3662.5 5011.85,3615.74 5011.85,3582.3 U4002.4@5031,3563.15